# Altium PCB RFSOC_SAWG.PcbDoc (part 6 of 15)
Units mm, origin at the board's own origin, x right, y up, seen from the top; angles counter-clockwise.
Board outline 221.25 x 100 mm, 8 copper layers (Top Layer, Mid-Layer 2, Mid-Layer 3, Mid-Layer 4, Mid-Layer 5, Mid-Layer 6, Mid-Layer 7, Bottom Layer), stack 1.455 mm thick; 1107 components, 833 nets, 3980 pads, 2483 vias.
Unrouted connection lines stored in the file: 1.
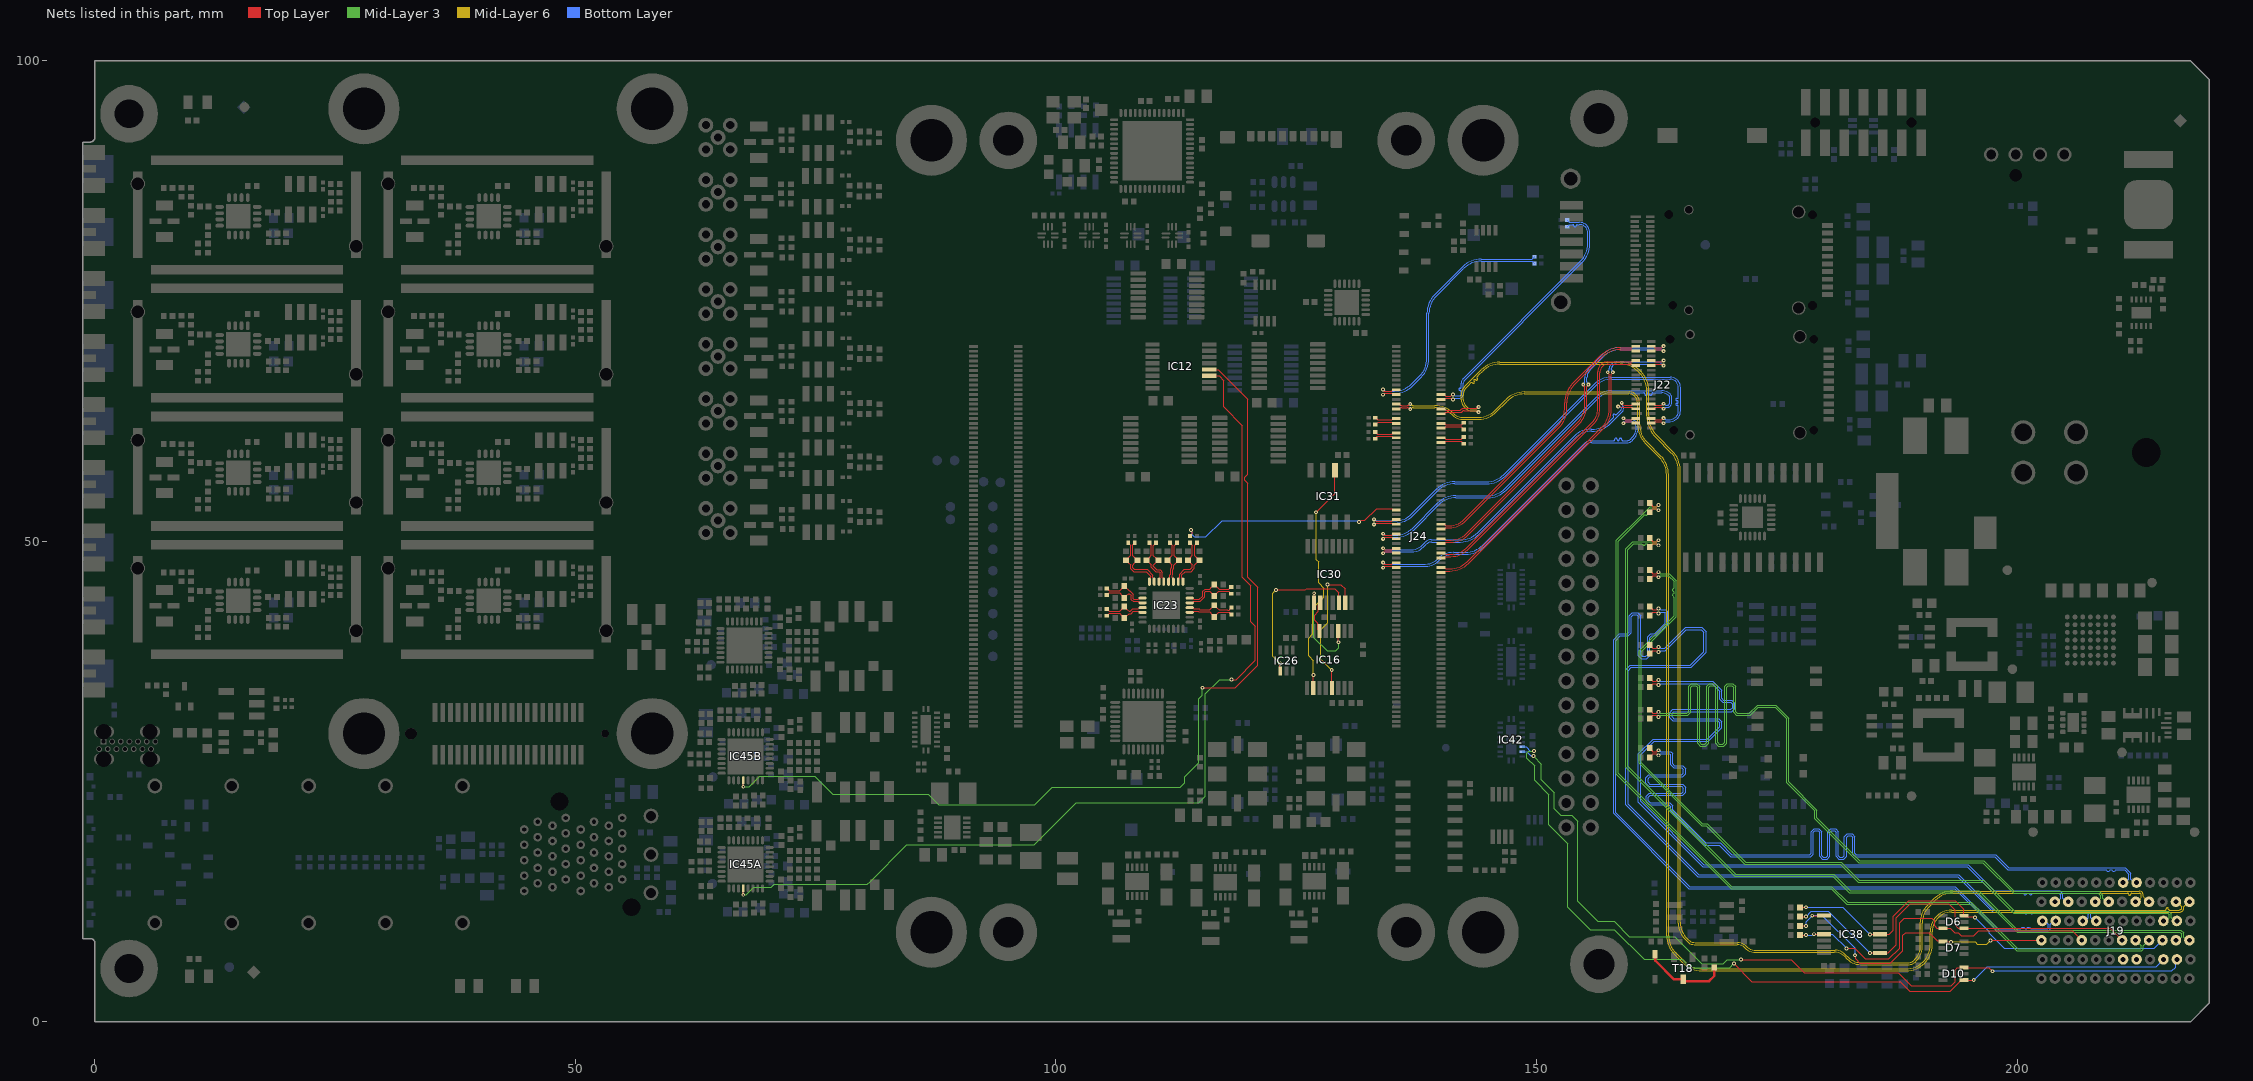
[diagram p12: the nets of this part, all layers, seen from the top]

## Via types
v1: diameter 0.4, hole 0.2, Top Layer to Bottom Layer, tented both sides, 1996 vias
v2: diameter 0.55, hole 0.2, Top Layer to Bottom Layer, 149 vias
v3: diameter 0.5, hole 0.2, Top Layer to Bottom Layer, tented both sides, 106 vias
v4: diameter 0.6, hole 0.3, Top Layer to Bottom Layer, tented both sides, 99 vias
v5: diameter 0.4, hole 0.15, Top Layer to Bottom Layer, tented both sides, 60 vias
v6: diameter 0.6, hole 0.3, Top Layer to Bottom Layer, 32 vias
v7: diameter 0.8, hole 0.5, Top Layer to Bottom Layer, tented both sides, 23 vias
v8: diameter 0.3/0.4/0.4/0.4/0.4/0.3 (per signal layer), hole 0.2, Top Layer to Bottom Layer, tented both sides, 12 vias
v9: diameter 0.4, hole 0.2, Top Layer to Bottom Layer, 5 vias
v10: diameter 0.5, hole 0.2, Top Layer to Bottom Layer, 1 vias

## Nets (pads, with @x,y where several pads share a name; then routed paths per layer and width w, separated by ;. In a path a pad name is that pad's centre, name@x,y a point inside that pad or via, vN(x,y) a via of type N, cw(c..) or ccw(c..) an arc to the next point about the centre after c; other vN are vias at no path point) (continued)
B129_CLK1_P: C45.2 J24.92 | length 24.1
  Top Layer w0.093: C45.2@113.95,50.55 113.95,50.575 114.104,50.729 114.148,50.729 114.203,50.783 114.203,50.967 114.049,51.121 v1(114.049,51.175) ; v1(131.55,52.025) 131.585,52.025 131.758,52.198 132.148,52.198 133.362,53.412 134.96,53.412 135.1,53.272 J24.92@135.415,53.272
  Bottom Layer w0.093: v1(114.049,51.175) 114.049,51.121 114.203,50.967 114.203,50.663 114.386,50.48 115.616,50.48 117.283,52.147 131.345,52.147 131.467,52.025 v1(131.55,52.025)
B129_RX0_N: C247.2 J24.121 | length 2.5
  Top Layer w0.093: J24.121@140.085,60.772 140.4,60.772 140.54,60.632 140.957,60.632 141.35,60.632 141.727,60.632 142.198,60.632 142.423,60.858 C247.2@142.448,60.858
B129_RX0_P: C246.2 J24.119 | length 2.5
  Top Layer w0.093: J24.119@140.085,60.272 140.4,60.272 140.54,60.412 141.048,60.412 141.35,60.412 141.636,60.412 142.169,60.412 142.423,60.158 C246.2@142.448,60.158
B129_RX1_N: C251.2 J24.127 | length 2.5
  Top Layer w0.093: J24.127@140.085,62.272 140.4,62.272 140.54,62.132 142.216,62.132 142.423,62.34 C251.2@142.448,62.34
B129_RX1_P: C250.2 J24.125 | length 2.5
  Top Layer w0.093: J24.125@140.085,61.772 140.4,61.772 140.54,61.912 142.15,61.912 142.423,61.64 C250.2@142.448,61.64
B129_RX2_N: J19.E5 J24.133 | length 143.1
  Top Layer w0.093: J24.133@140.085,63.772 140.4,63.772 140.54,63.632 142.085,63.632 142.181,63.728 cw(c142.411,63.497) 142.411,63.823 143.767,63.823 143.92,63.977 v5(143.975,63.977)
  Mid-Layer 6 w0.08: v5(143.975,63.977) 143.928,63.977 143.768,63.817 143.121,63.817 cw(c143.121,64.271) 142.8,63.95 142.616,64.134 cw(c143.197,64.716) 142.375,64.716 142.375,65.225 cw(c143.461,65.225) 142.693,65.993 142.987,66.288 143.178,66.478 cw(c143.26,66.397) 143.341,66.478 143.355,66.464 ccw(c143.437,66.546) 143.518,66.464 ccw(c143.437,66.546) 143.518,66.627 143.504,66.641 cw(c143.585,66.722) 143.504,66.804 cw(c143.585,66.722) 143.666,66.804 143.68,66.79 ccw(c143.762,66.871) 143.843,66.79 ccw(c143.762,66.871) 143.843,66.952 143.829,66.966 cw(c143.91,67.048) 143.829,67.129 144.066,67.366 144.396,67.696 cw(c146.192,65.9) 146.192,68.44 158.74,68.44 cw(c158.74,65.9) 160.536,67.696 160.731,67.501 cw(c158.935,65.705) 161.475,65.705 161.475,63.077 ccw(c164.662,63.077) 162.406,60.826 163.999,59.233 cw(c162.203,57.437) 164.743,57.437 164.743,10.276 ccw(c167.066,10.276) 164.954,9.31 ccw(c167.066,10.276) 165.423,8.634 165.719,8.338 ccw(c166.432,9.052) 166.432,8.043 170.918,8.043 cw(c170.918,7.043) 171.625,7.75 171.627,7.748 ccw(c172.847,8.968) 172.847,7.243 180.993,7.243 cw(c180.993,5.743) 182.053,6.804 182.299,6.558 ccw(c183.724,7.983) 182.302,6.556 ccw(c183.724,7.983) 183.724,5.968 188.77,5.968 ccw(c188.77,6.852) 189.395,6.227 189.567,6.399 ccw(c188.203,7.763) 190.132,7.763 190.132,10.267 cw(c192.583,10.267) 190.85,12 191.506,12.656 cw(c193.302,10.86) 193.302,13.4 211.225,13.4 211.495,13.4 cw(c211.495,13.285) 211.61,13.285 211.61,13.273 ccw(c211.725,13.273) 211.725,13.158 ccw(c211.725,13.273) 211.84,13.273 211.84,13.285 cw(c211.955,13.285) 211.955,13.4 212.175,13.4 212.7,13.4 cw(c212.7,13.15) 212.95,13.15 212.95,13.112 cw(c212.338,13.112) J19.E5@212.338,12.5 ccw(c212.338,12.885) J19.E5@212.61,12.613
B129_RX2_P: J19.D5 J24.131 | length 143.2
  Top Layer w0.093: J24.131@140.085,63.272 140.4,63.272 140.54,63.412 142.085,63.412 ccw(c142.085,63.632) 142.241,63.477 142.272,63.508 cw(c142.503,63.277) 142.503,63.603 143.767,63.603 143.92,63.45 v5(143.975,63.45)
  Mid-Layer 6 w0.08: v5(143.975,63.45) 143.928,63.45 143.768,63.61 143.121,63.61 cw(c143.121,64.271) 142.653,63.805 142.471,63.987 cw(c143.197,64.716) 142.168,64.716 142.168,65.225 cw(c143.461,65.225) 142.191,65.467 cw(c143.456,65.227) 142.545,66.138 144.25,67.843 cw(c146.191,65.902) 146.191,68.647 158.742,68.647 cw(c158.742,65.904) 160.681,67.844 160.879,67.646 cw(c158.939,65.707) 161.682,65.707 161.682,63.078 ccw(c164.664,63.078) 162.555,60.97 164.147,59.378 cw(c162.207,57.439) 164.95,57.439 164.95,10.362 ccw(c167.273,10.362) 165.161,9.396 ccw(c167.273,10.362) 165.63,8.72 165.805,8.545 ; 165.805,8.545 ccw(c166.518,9.259) 166.518,8.25 170.92,8.25 cw(c170.92,7.047) 171.77,7.898 171.771,7.896 ccw(c172.849,8.974) 172.849,7.45 181.079,7.45 cw(c181.079,5.95) 182.139,7.011 ; 182.139,7.011 182.445,6.705 ccw(c183.725,7.986) 183.725,6.175 188.767,6.175 ccw(c188.767,6.858) 189.25,6.375 189.418,6.543 ccw(c188.194,7.767) 189.925,7.767 189.925,10.352 cw(c192.376,10.352) 190.643,12.086 191.36,12.803 cw(c193.301,10.862) 191.363,12.806 cw(c193.301,10.862) 193.301,13.607 212.7,13.607 cw(c212.7,13.15) 213.157,13.15 213.157,13.081 ccw(c213.738,13.081) J19.D5@213.738,12.5 cw(c213.738,12.885) J19.D5@213.466,12.613
B129_RX3_N: C38.2 J24.139 | length 27.8
  Top Layer w0.093: J24.139@140.085,65.272 140.4,65.272 140.577,65.096 140.904,65.096 140.906,65.098 141.059,65.098 141.237,65.276 v1(141.301,65.276)
  Bottom Layer w0.093: v1(141.301,65.276) 141.356,65.276 141.509,65.123 141.973,65.123 ccw(c141.973,65.325) 142.175,65.325 142.175,65.525 142.175,65.571 ccw(c142.054,65.572) 142.054,65.693 cw(c142.053,65.815) 141.932,65.815 cw(c142.053,65.815) 142.053,65.936 ccw(c142.054,66.058) 142.175,66.058 142.175,66.298 142.175,66.344 142.175,66.451 cw(c142.863,66.451) 142.199,66.631 cw(c142.863,66.451) 142.377,66.938 154.581,79.142 ccw(c152.785,80.938) 155.325,80.938 155.325,82.113 ccw(c154.475,82.113) 154.475,82.963 154.307,82.963 154.26,82.963 ccw(c154.26,82.842) 154.139,82.842 cw(c154.017,82.842) 154.017,82.72 cw(c154.017,82.842) 153.896,82.842 ccw(c153.774,82.842) 153.774,82.963 153.47,82.963 153.432,82.963 153.377,82.909 153.377,82.877 153.224,82.724 C38.2@153.199,82.724
B129_RX3_P: C52.2 J24.137 | length 27.9
  Top Layer w0.093: J24.137@140.085,64.772 140.189,64.876 140.995,64.876 140.997,64.878 141.089,64.878 141.218,64.749 v1(141.301,64.749)
  Bottom Layer w0.093: v1(141.301,64.749) 141.356,64.749 141.509,64.903 141.973,64.903 ccw(c141.973,65.325) 142.395,65.325 142.395,66.45 cw(c142.866,66.45) 142.533,66.783 154.737,78.987 ccw(c152.787,80.937) 155.545,80.937 155.545,82.113 ccw(c154.475,82.113) 154.475,83.183 153.432,83.183 153.377,83.238 153.377,83.269 153.224,83.423 C52.2@153.199,83.423
B129_TX0_N: C249.2 J24.124 | length 2.4
  Top Layer w0.093: C249.2@133.228,61.375 133.253,61.375 133.406,61.222 133.406,61.185 133.461,61.131 133.592,61.131 133.594,61.132 134.96,61.132 135.1,61.272 J24.124@135.415,61.272
B129_TX0_P: C248.2 J24.122 | length 2.4
  Top Layer w0.093: C248.2@133.228,60.666 133.253,60.666 133.406,60.82 133.406,60.856 133.461,60.911 133.683,60.911 133.685,60.912 134.96,60.912 135.1,60.772 J24.122@135.415,60.772
B129_TX1_N: C253.2 J24.130 | length 2.3
  Top Layer w0.093: C253.2@133.244,62.863 133.269,62.863 133.5,62.632 134.96,62.632 135.1,62.772 J24.130@135.415,62.772
B129_TX1_P: C252.2 J24.128 | length 2.3
  Top Layer w0.093: C252.2@133.244,62.163 133.269,62.163 133.518,62.412 134.96,62.412 135.1,62.272 J24.128@135.415,62.272
B129_TX2_N: J19.B5 J24.136 | length 144.3
  Top Layer w0.093: J24.136@135.415,64.272 135.631,64.272 cw(c135.631,64.033) 135.8,64.202 ccw(c135.969,64.371) 135.969,64.132 136.558,64.132 ccw(c136.558,64.394) v5@136.744,64.209
  Mid-Layer 6 w0.08: v5(136.875,64.286) cw(c136.875,64.173) 136.955,64.253 137.002,64.206 ccw(c137.195,64.399) 137.195,64.126 139.414,64.126 cw(c139.414,61.342) 141.396,63.296 ccw(c142.306,64.206) 142.306,62.919 144.005,62.919 ccw(c144.005,65.308) 145.694,63.619 146.809,64.734 cw(c148.749,62.793) 148.749,65.538 159.705,65.538 cw(c159.705,64.632) 160.345,65.272 160.409,65.209 cw(c159.628,64.428) 160.732,64.428 160.732,62.138 ccw(c163.272,62.138) 161.476,60.342 162.947,58.871 ; 162.947,58.871 cw(c161.007,56.932) 163.75,56.932 163.75,8.977 ccw(c166.29,8.977) 164.494,7.181 165.424,6.251 ccw(c167.22,8.047) 167.22,5.507 188.45,5.507 ccw(c188.45,8.047) 190.246,6.251 ccw(c188.502,7.995) 190.968,7.995 190.968,9.382 cw(c193.211,9.382) 193.211,11.625 215.375,11.625 215.415,11.625 ccw(c215.415,11.74) 215.53,11.74 215.53,11.76 cw(c215.645,11.76) 215.645,11.875 cw(c215.645,11.76) 215.76,11.76 215.76,11.74 ccw(c215.875,11.74) 215.875,11.625 216.175,11.625 216.648,11.625 216.816,11.625 ccw(c216.816,12.029) 217.103,11.743 217.135,11.775 217.135,12 216.703,12.432 ccw(c216.538,12.267) J19.B5@216.538,12.5
B129_TX2_P: J19.A5 J24.134 | length 144.3
  Top Layer w0.093: J24.134@135.415,63.772 135.631,63.772 ccw(c135.631,64.011) 135.8,63.842 cw(c135.969,63.673) 135.969,63.912 136.558,63.912 cw(c136.558,63.65) v5@136.744,63.836
  Mid-Layer 6 w0.08: v5(136.875,63.759) ccw(c136.875,63.872) 136.955,63.792 v5@137.002,63.839 ; v5@137.002,63.839 cw(c137.195,63.646) 137.195,63.919 139.412,63.919 cw(c139.412,61.338) 141.223,63.177 141.252,63.148 ccw(c142.304,64.201) 142.304,62.712 144.006,62.712 ccw(c144.006,65.306) 145.84,63.472 146.954,64.587 cw(c148.75,62.791) 148.75,65.331 159.619,65.331 cw(c159.619,64.425) 160.26,65.065 ; 160.26,65.065 cw(c159.619,64.425) 160.525,64.425 160.525,62.137 ccw(c163.27,62.137) 161.327,60.198 ccw(c163.27,62.137) 161.329,60.196 162.799,58.726 cw(c161.003,56.93) 163.543,56.93 163.543,8.976 ccw(c166.288,8.976) 164.345,7.037 ccw(c166.288,8.976) 164.347,7.035 165.278,6.104 ccw(c167.219,8.045) 167.219,5.3 188.451,5.3 ccw(c188.451,8.045) 190.391,6.104 190.393,6.105 ccw(c188.504,7.994) 190.395,6.108 ccw(c188.504,7.994) 191.175,7.994 191.175,9.381 cw(c193.211,9.381) 193.211,11.417 216.734,11.417 ; 216.735,11.418 216.902,11.418 ccw(c216.902,11.822) 217.189,11.536 217.282,11.629 ccw(c217.137,11.774) 217.342,11.774 217.342,12 217.774,12.432 cw(c217.938,12.267) J19.A5@217.938,12.5
B129_TX3_N: C54.2 J24.142 | length 26.7
  Top Layer w0.093: v1(134.05,65.786) 134.05,65.732 134.15,65.632 134.96,65.632 135.1,65.772 J24.142@135.415,65.772
  Bottom Layer w0.093: v1(134.05,65.786) 134.104,65.786 134.258,65.632 135.219,65.632 ccw(c135.219,68.172) 137.015,66.376 137.856,67.217 ccw(c136.06,69.013) 138.6,69.013 138.6,73.719 cw(c141.358,73.719) 139.408,75.669 142.306,78.567 cw(c144.256,76.617) 142.308,78.569 cw(c144.256,76.617) 144.256,79.375 149.567,79.375 149.621,79.429 149.621,79.458 149.775,79.612 C54.2@149.8,79.612
B129_TX3_P: C57.2 J24.140 | length 26.7
  Top Layer w0.093: v1(134.05,65.259) 134.05,65.312 134.15,65.412 134.96,65.412 135.1,65.272 J24.140@135.415,65.272
  Bottom Layer w0.093: v1(134.05,65.259) 134.104,65.259 134.258,65.412 135.22,65.412 ccw(c135.22,68.17) 137.17,66.22 ; 137.17,66.22 138.012,67.062 ccw(c136.062,69.012) 138.014,67.064 ccw(c136.062,69.012) 138.82,69.012 138.82,73.718 cw(c141.36,73.718) 139.564,75.514 142.461,78.411 cw(c144.257,76.615) 144.257,79.155 149.567,79.155 149.621,79.1 149.621,79.071 149.775,78.918 C57.2@149.8,78.918
B505_RX0_N: J22.B15 J24.67 | length 36.8
  Top Layer w0.093: J24.67@140.085,47.272 140.4,47.272 140.54,47.132 140.994,47.132 ccw(c140.994,49.672) 142.79,47.876 156.833,61.919 ccw(c155.036,63.715) 157.576,63.715 157.576,67.392 157.423,67.546 v5(157.423,67.6) ; J22.B15@161.861,68.803 162.161,68.803 162.301,68.663 163.028,68.663 163.182,68.816 v5(163.236,68.816)
  Bottom Layer w0.093: v5(157.423,67.6) cw(c157.555,67.6) 157.462,67.693 157.5,67.731 ccw(c157.314,67.917) 157.576,67.917 157.576,68.01 cw(c158.065,68.01) 157.72,68.356 157.82,68.456 cw(c158.318,67.958) 158.318,68.663 162.866,68.663 ccw(c162.866,69.055) 163.143,68.777 cw(c163.236,68.685) v5(163.236,68.816)
B505_RX0_P: J22.B14 J24.65 | length 36.8
  Top Layer w0.093: J24.65@140.085,46.772 140.4,46.772 140.54,46.912 140.995,46.912 ccw(c140.995,49.67) 142.945,47.72 ; 142.945,47.72 156.989,61.764 ccw(c155.039,63.714) 156.991,61.766 ccw(c155.039,63.714) 157.796,63.714 157.796,67.392 157.95,67.546 v5(157.95,67.6) ; J22.B14@161.861,68.303 162.161,68.303 162.301,68.443 163.028,68.443 163.182,68.289 v5(163.236,68.289)
  Bottom Layer w0.093: v5@157.95,67.683 v5(157.95,67.6) ccw(c157.818,67.6) 157.911,67.693 157.873,67.731 cw(c158.059,67.917) 157.796,67.917 157.796,67.965 cw(c158.175,67.965) 157.907,68.232 157.975,68.3 cw(c158.319,67.956) 158.319,68.443 162.866,68.443 cw(c162.866,68.05) 163.143,68.328 ccw(c163.236,68.421) v5(163.236,68.289)
B505_RX1_N: J22.A15 J24.73 | length 31.4
  Top Layer w0.093: J24.73@140.085,48.772 140.4,48.772 140.54,48.632 141.1,48.632 ccw(c141.1,50.857) 142.672,49.283 155.906,62.517 ccw(c154.822,63.601) 156.355,63.601 156.355,67.621 cw(c157.394,67.621) 157.394,68.66 159.811,68.66 ccw(c159.811,68.899) 159.98,68.73 cw(c160.149,68.561) 160.149,68.8 J22.A15@160.35,68.8
B505_RX1_P: J22.A14 J24.71 | length 31.3
  Top Layer w0.093: J24.71@140.085,48.272 140.4,48.272 140.54,48.412 141.103,48.412 ccw(c141.103,50.85) 142.826,49.126 156.062,62.362 ccw(c154.824,63.6) 156.575,63.6 156.575,67.53 cw(c157.485,67.53) 157.485,68.44 159.811,68.44 cw(c159.811,68.201) 159.98,68.37 ccw(c160.149,68.539) 160.149,68.3 J22.A14@160.35,68.3
B505_RX2_N: J22.B18 J24.79 | length 35.4
  Top Layer w0.093: J24.79@140.085,50.272 140.4,50.272 140.54,50.132 141.075,50.132 ccw(c141.075,52.477) 142.732,50.818 ; 142.733,50.819 154.283,62.369 ccw(c152.486,64.165) 155.026,64.165 155.026,66.092 154.873,66.246 v5(154.873,66.3) ; J22.B18@161.861,70.303 162.161,70.303 162.301,70.163 163.028,70.163 163.182,70.316 v5(163.236,70.316)
  Bottom Layer w0.093: v5(154.873,66.3) 154.873,66.354 155.027,66.508 155.027,67.005 cw(c156.441,67.005) 155.441,68.005 156.791,69.355 cw(c158.741,67.405) 157.298,69.755 cw(c158.741,67.405) 158.741,70.163 163.028,70.163 163.182,70.316 v5(163.236,70.316)
B505_RX2_P: J22.B17 J24.77 | length 35.4
  Top Layer w0.093: J24.77@140.085,49.772 140.4,49.772 140.54,49.912 141.079,49.912 ccw(c141.079,52.467) 142.886,50.661 154.439,62.214 ccw(c152.489,64.164) 155.246,64.164 155.246,66.092 155.4,66.246 v5(155.4,66.3) ; J22.B17@161.861,69.803 162.161,69.803 162.301,69.943 163.028,69.943 163.182,69.789 v5(163.236,69.789)
  Bottom Layer w0.093: v5(155.4,66.3) ccw(c155.268,66.3) 155.365,66.389 ccw(c155.268,66.3) 155.361,66.393 155.323,66.431 cw(c155.508,66.616) 155.247,66.616 155.247,67.004 cw(c156.444,67.004) 155.597,67.85 156.945,69.199 cw(c158.741,67.403) 157.995,69.831 cw(c158.741,67.403) 158.741,69.943 163.028,69.943 163.182,69.789 v5(163.236,69.789)
B505_RX3_N: J22.A18 J24.85 | length 29.3
  Top Layer w0.093: J24.85@140.085,51.772 140.4,51.772 140.54,51.632 140.925,51.632 ccw(c140.925,53.857) 142.498,52.284 152.186,61.972 ccw(c150.39,63.768) 152.93,63.767 ; 152.93,63.768 152.93,64.424 cw(c155.688,64.424) 152.93,64.428 cw(c155.688,64.424) 153.735,66.371 cw(c155.688,64.424) 153.738,66.374 156.716,69.352 cw(c158.666,67.402) 158.666,70.16 159.91,70.16 160.05,70.3 J22.A18@160.35,70.3
B505_RX3_P: J22.A17 J24.83 | length 29.3
  Top Layer w0.093: J24.83@140.085,51.272 140.4,51.272 140.54,51.412 140.927,51.412 ccw(c140.927,53.851) 142.652,52.127 152.342,61.817 ccw(c150.392,63.767) 152.344,61.819 ccw(c150.392,63.767) 153.15,63.767 153.15,64.423 cw(c155.69,64.423) 153.894,66.219 156.871,69.196 cw(c158.667,67.4) 158.667,69.94 159.91,69.94 160.05,69.8 J22.A17@160.35,69.8
B505_TX0_N: J22.A2 J24.70 | length 37.6
  Top Layer w0.093: v5(134.05,47.786) 134.05,47.732 134.15,47.632 134.96,47.632 135.1,47.772 J24.70@135.415,47.772 ; v5(159.047,62.281) 159.102,62.281 159.255,62.435 159.553,62.435 159.558,62.44 159.91,62.44 160.047,62.303 J22.A2@160.261,62.303
  Bottom Layer w0.093: v5(134.05,47.786) 134.104,47.786 134.258,47.632 134.391,47.632 138.45,47.632 ccw(c138.45,49.4) 139.7,48.15 ; 139.701,48.151 cw(c141.395,46.457) 141.395,48.852 142.614,48.852 ccw(c142.614,51.392) 144.41,49.596 154.971,60.158 cw(c155.728,59.401) 154.973,60.159 cw(c155.728,59.401) 155.728,60.471 157.975,60.471 158.022,60.471 ccw(c158.022,60.592) 158.143,60.592 158.143,60.626 cw(c158.265,60.626) 158.265,60.747 cw(c158.265,60.626) 158.386,60.626 158.386,60.592 ccw(c158.508,60.592) 158.508,60.471 ccw(c158.508,60.592) 158.629,60.592 158.629,60.626 cw(c158.751,60.626) 158.751,60.747 cw(c158.751,60.626) 158.872,60.626 158.872,60.592 ccw(c158.994,60.592) 158.994,60.471 159.2,60.471 159.409,60.471 ccw(c159.409,61.016) 159.794,60.631 159.923,60.759 ccw(c158.833,61.85) 160.375,61.85 160.375,61.913 ccw(c159.863,61.913) 160.225,62.275 ccw(c159.839,61.889) 159.839,62.435 159.139,62.435 ccw(c159.203,62.181) 159.017,62.366 159.017,62.311 v5(159.047,62.281)
B505_TX0_P: J22.A3 J24.68 | length 37.5
  Top Layer w0.093: v5(134.05,47.259) 134.05,47.312 134.15,47.412 134.96,47.412 135.1,47.272 J24.68@135.415,47.272 ; v5(159.047,62.808) 159.102,62.808 159.255,62.655 159.462,62.655 159.467,62.66 159.91,62.66 160.053,62.803 J22.A3@160.261,62.803
  Bottom Layer w0.093: v5(134.05,47.259) 134.104,47.259 134.258,47.412 134.482,47.412 138.452,47.412 ccw(c138.452,49.396) 139.855,47.994 139.856,47.994 cw(c141.396,46.454) 141.396,48.632 142.615,48.632 ccw(c142.615,51.39) 144.565,49.44 ; 144.565,49.44 155.125,60 ; 155.126,60.001 cw(c155.731,59.394) 155.731,60.251 159.411,60.251 ccw(c159.411,61.011) 159.949,60.474 160.079,60.604 ccw(c158.834,61.849) 160.595,61.849 160.595,61.914 ccw(c159.866,61.914) 160.382,62.43 160.379,62.433 ccw(c159.842,61.896) 159.842,62.655 159.255,62.655 159.102,62.808 v5(159.047,62.808)
B505_TX1_N: J22.A5 J24.76 | length 34.7
  Top Layer w0.093: v5(134.05,49.286) 134.05,49.232 134.15,49.132 134.96,49.132 135.1,49.272 J24.76@135.415,49.272 ; v5(158.498,64.023) ccw(c158.498,64.084) 158.541,64.041 158.619,64.119 ccw(c159.052,64.552) 159.051,63.94 ccw(c159.052,64.552) 159.052,63.94 159.91,63.94 160.047,63.803 J22.A5@160.261,63.803
  Bottom Layer w0.093: v5@134.066,49.27 v5(134.05,49.286) 134.104,49.286 134.258,49.132 136.937,49.132 ccw(c136.937,50.87) 138.165,49.641 138.419,49.896 cw(c139.034,49.281) 139.034,50.15 142.087,50.15 ccw(c142.087,52.69) 143.883,50.894 153.946,60.957 cw(c155.679,59.225) 153.947,60.959 cw(c155.679,59.225) 155.679,61.675 155.77,61.675 ccw(c155.77,64.178) 157.54,62.408 157.563,62.431 157.93,62.798 157.966,62.834 157.998,62.867 ccw(c157.913,62.953) 157.998,63.039 cw(c158.084,63.125) 157.998,63.211 cw(c158.084,63.125) 158.17,63.211 ccw(c158.256,63.296) 158.342,63.21 158.541,63.409 158.746,63.615 ccw(c158.479,63.882) 158.857,63.882 ccw(c158.608,63.633) 158.608,63.985 158.591,63.985 cw(c158.591,64.116) v5(158.498,64.023)
B505_TX1_P: J22.A6 J24.74 | length 34.6
  Top Layer w0.093: v5(134.05,48.759) 134.05,48.812 134.15,48.912 134.96,48.912 135.1,48.772 J24.74@135.415,48.772 ; v5(158.871,64.396) cw(c158.811,64.396) 158.854,64.354 158.837,64.337 ccw(c159.264,64.764) 159.264,64.16 159.91,64.16 160.053,64.303 J22.A6@160.261,64.303
  Bottom Layer w0.093: v5(134.05,48.759) 134.104,48.759 134.258,48.912 137.028,48.912 ccw(c137.028,50.65) 138.256,49.421 138.511,49.676 cw(c139.125,49.061) 139.125,49.93 142.088,49.93 ccw(c142.088,52.688) 144.037,50.737 ; 144.038,50.738 154.037,60.737 cw(c155.77,59.005) 154.039,60.739 cw(c155.77,59.005) 155.77,61.455 ; 155.771,61.455 ccw(c155.771,64.176) 157.695,62.252 158.903,63.46 ccw(c158.482,63.881) 159.077,63.881 159.077,63.883 ccw(c158.86,63.883) 159.013,64.037 159.013,64.038 cw(c159.261,64.286) 158.91,64.286 158.91,64.303 ccw(c158.778,64.303) v5(158.871,64.396)
B505_TX2_N: J22.B5 J24.82 | length 41
  Top Layer w0.093: v5(134.05,50.786) 134.05,50.732 134.15,50.632 134.96,50.632 135.1,50.772 J24.82@135.415,50.772 ; J22.B5@161.861,63.803 162.161,63.803 162.301,63.943 163.028,63.943 163.182,63.789 v5(163.236,63.789)
  Bottom Layer w0.093: v5(134.05,50.786) 134.104,50.786 134.258,50.632 135.319,50.632 ccw(c135.319,53.172) 137.115,51.376 139.676,53.937 cw(c141.626,51.987) 139.678,53.939 cw(c141.626,51.987) 141.626,54.745 144.918,54.745 ccw(c144.918,57.285) 146.714,55.489 156.277,65.052 cw(c157.769,63.56) 157.769,65.67 163.017,65.67 cw(c163.017,64.345) 163.954,65.282 163.956,65.28 cw(c163.622,64.945) 164.095,64.945 164.095,64.464 cw(c163.538,64.464) 163.932,64.071 163.93,64.069 cw(c163.625,64.373) 163.625,63.943 163.444,63.943 163.291,63.789 v5(163.236,63.789)